# Altium PCB X98_CARRIER_V1R2_12082022.PcbDoc (part 8 of 10) (continued)
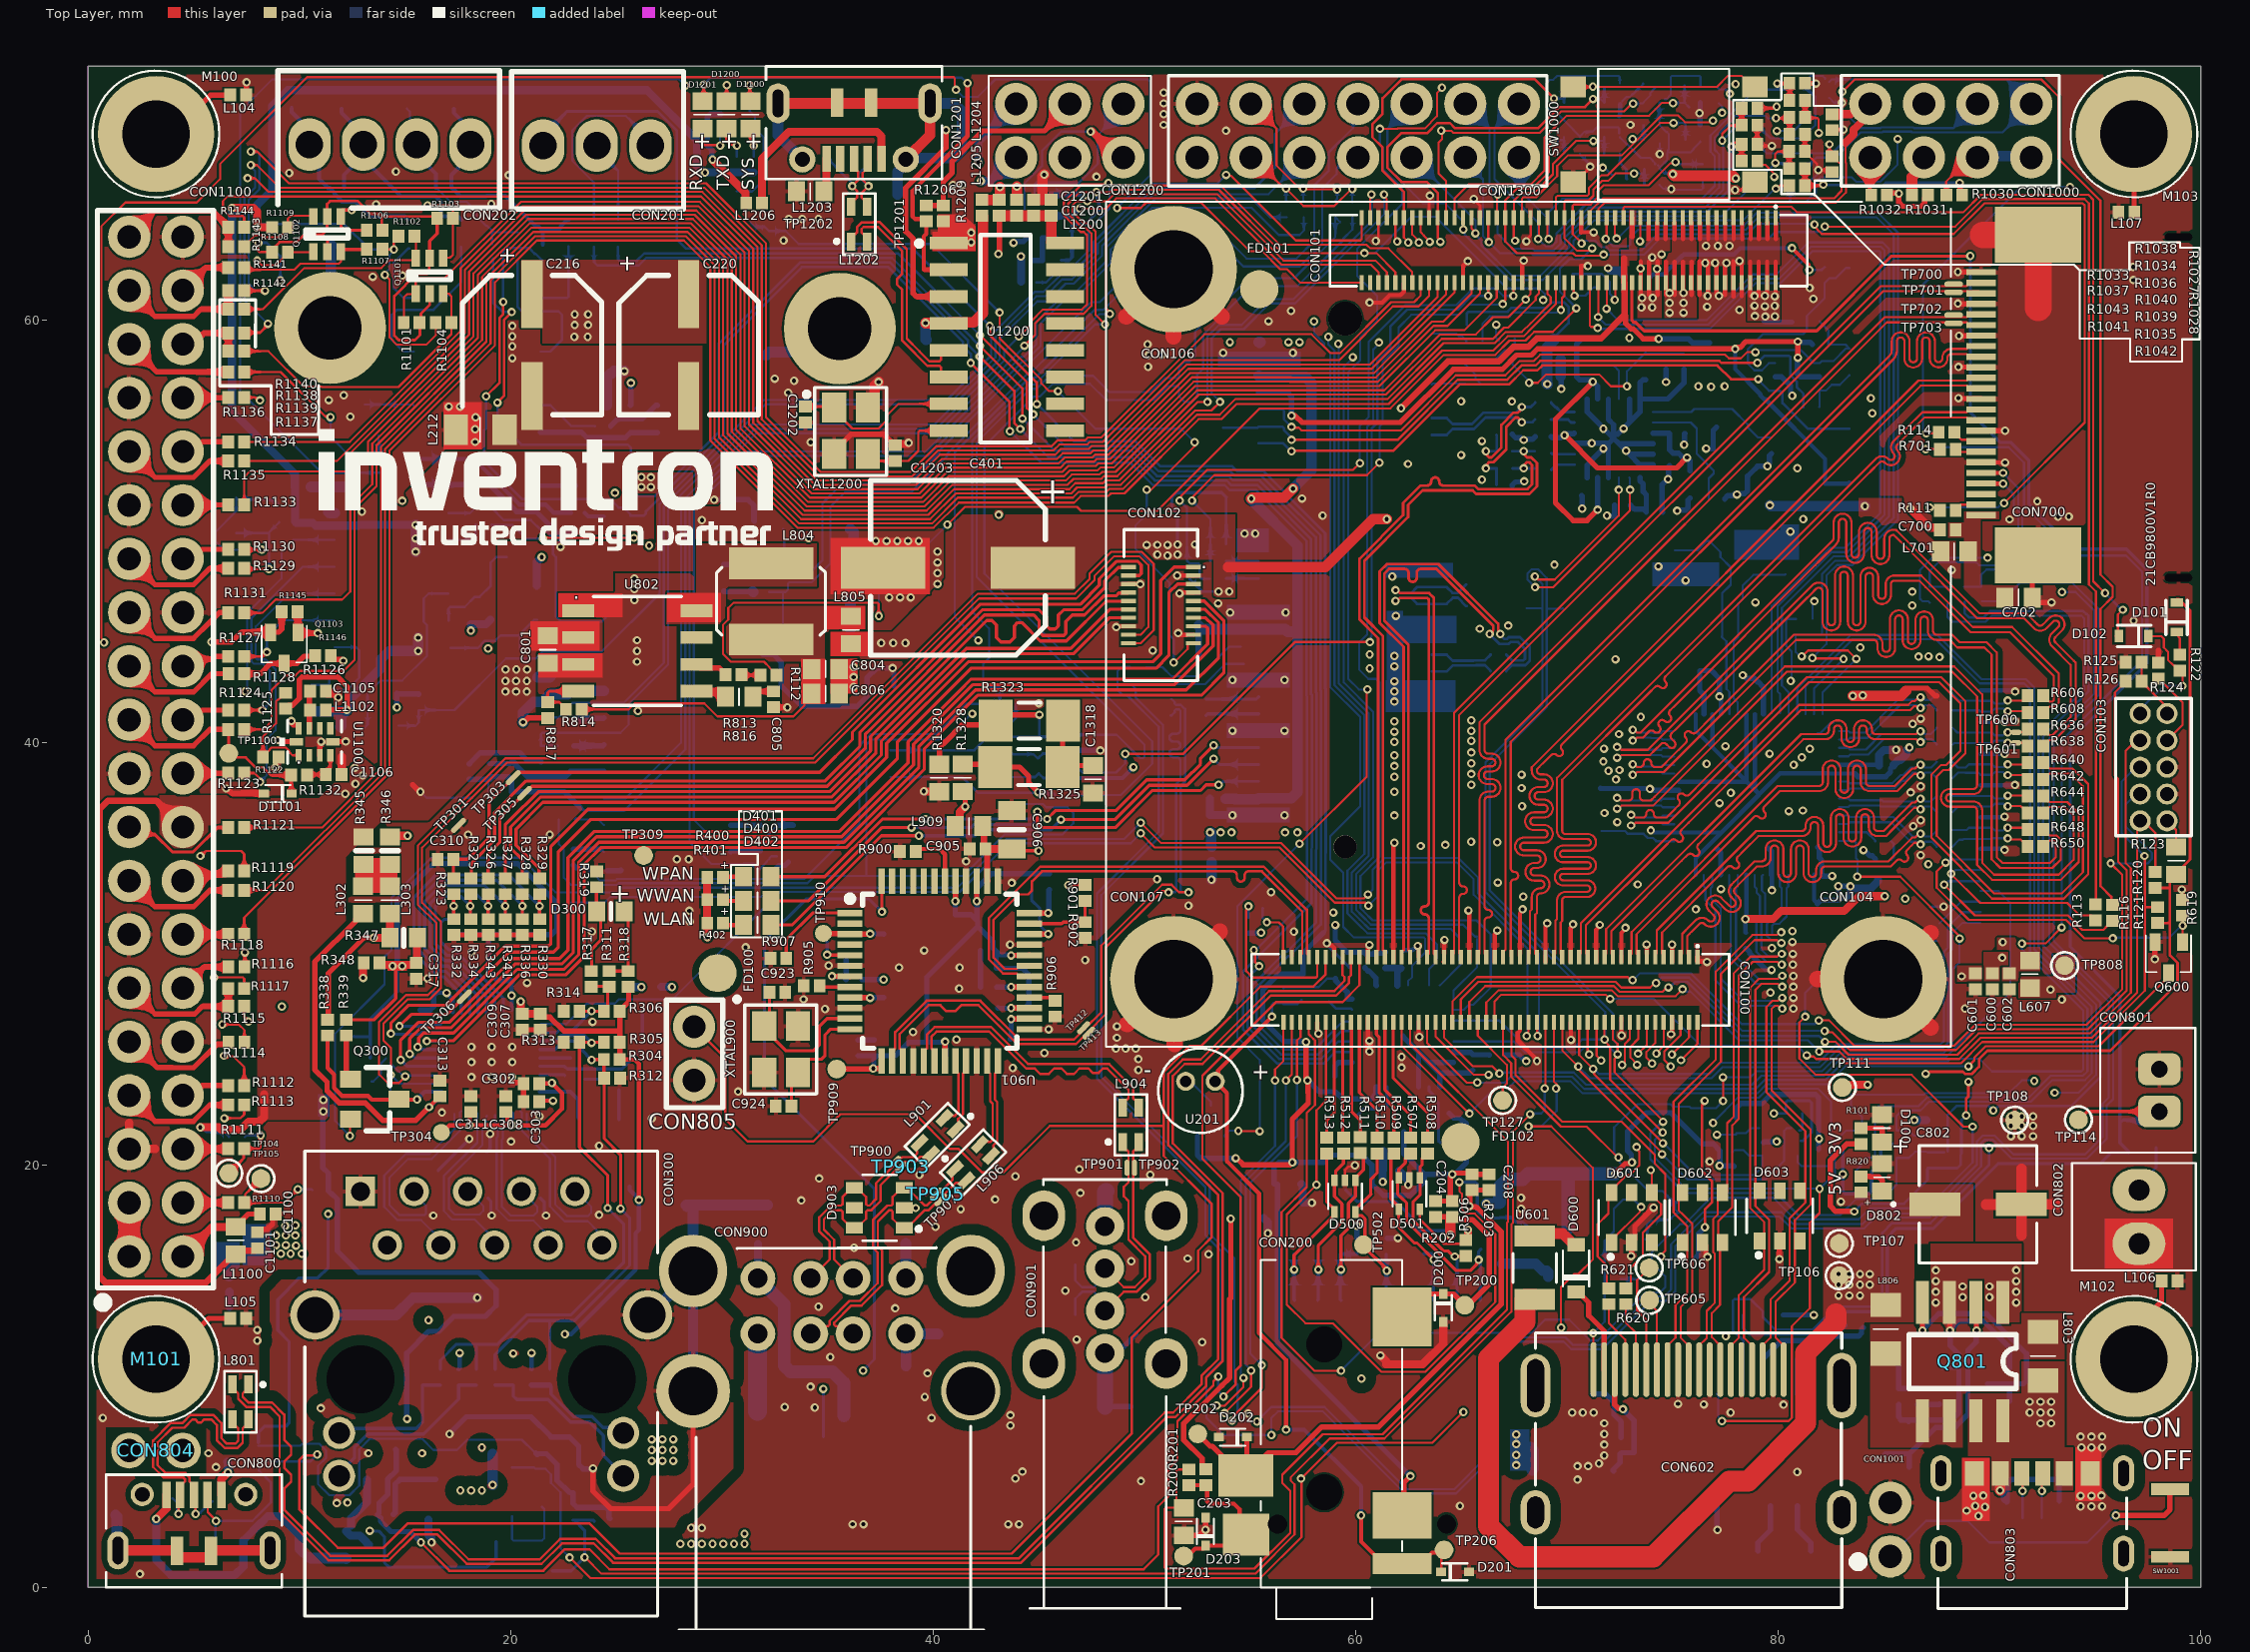
[diagram p0: Top Layer view]
## Nets (pads, with @x,y where several pads share a name; then routed paths per layer and width w, separated by ;. In a path a pad name is that pad's centre, name@x,y a point inside that pad or via, vN(x,y) a via of type N, cw(c..) or ccw(c..) an arc to the next point about the centre after c; other vN are vias at no path point) (continued)
SAI1_RXD2: CON101.51 R112.1 R1006.1 R1009.2 | length 65.6
  Top Layer w0.102: R112.1@32.55,43.232 32.253,43.528 32.253,43.553 31.986,43.82 30.422,43.82 30.044,44.198 30.044,45.559 30.298,45.813 30.298,46.36 30.552,46.614 37.35,46.614 37.41,46.554 37.41,45.998 v1(37.423,45.985) ; v1(40.666,50.309) 41.506,51.148 46.805,51.148 46.997,50.957 47.487,50.957 47.488,50.956 47.78,50.956 47.781,50.957 50.601,50.957 55.458,55.813 61.647,55.813 64.177,58.343 66.605,58.343 67.284,59.022 68.036,59.022 68.451,59.437 69.331,59.437 v1(70.445,60.552) ; CON101.51@69.875,64.613 69.875,63.883 70.49,63.268 71.073,63.268 v1(71.196,63.391) ; CON101.51@69.875,64.621 69.875,65.607 69.935,65.667 71.041,65.667 71.249,65.875 71.249,66.171 71.656,66.578 71.952,66.578 72.307,66.933 v1(73.178,66.933)
  Bottom Layer w0.102: v1(37.423,45.985) 37.423,47.065 v1(40.666,50.309) ; v1(70.445,60.552) 70.445,60.56 69.662,61.343 69.662,62.421 70.119,62.877 70.682,62.877 v1(71.196,63.391) ; v1(73.178,66.933) 73.618,66.933 R1006.1@73.633,66.949 ; R1009.2@73.633,66.39 73.666,66.423 R1006.1@73.666,67.151
SAI1_RXD3: CON101.53 R114.1 R1007.1 R1010.2 | length 50.7
  Top Layer w0.102: CON101.53@69.479,64.837 69.483,64.841 69.483,65.811 69.543,65.87 70.957,65.87 71.046,65.959 71.046,66.255 71.643,66.852 71.939,66.852 74.408,69.322 v1(75.05,69.322)
  Top Layer w0.117: v1(87.009,54.628) 87.566,54.628 R114.1@87.597,54.659
  Layer 2 w0.102: v1(75.05,69.322) 76.054,70.326 77.829,70.326 78.061,70.558 78.061,71.007 77.984,71.083 77.984,71.18 78,71.18 78.37,71.55 92.34,71.55 93.274,70.615 93.274,66.736 93.469,66.541 93.569,66.541 93.82,66.291 v1(93.82,66.289)
  Bottom Layer w0.102: v1(75.05,69.322) 75.533,69.322 75.615,69.24 R1007.1@75.615,68.52
  Bottom Layer w0.117: v1(87.009,54.628) 87.009,54.684 86.855,54.838 86.855,61.661 91.483,66.29 93.819,66.29 v1(93.82,66.289)
  other v1: 77.984,71.164
SAI1_RXD4: CON101.55 CON1300.2 R1014.1 R1034.1 R1038.2 | length 22.7
  Top Layer w0.102: CON101.55@69.075,64.837 69.075,64.081 69.085,64.071 69.085,63.892 v1(69.142,63.835) ; v1@80.017,71.189 80.55,71.189 R1034.1@80.55,70.393
  Bottom Layer w0.102: CON1300.2@67.776,67.694 67.789,67.681 67.789,66.112 69.142,64.759 ; v1(69.142,63.835) 69.142,64.759 ; 76.999,66.857 76.999,66.352 76.373,65.726 69.768,65.726 69.186,65.144 69.151,65.109 69.151,65.091 69.142,65.082 69.142,64.759 ; 76.999,66.857 76.999,67.761 76.795,67.966 76.795,68.73 77.671,69.606 77.671,69.654 78.913,70.896 80.384,70.896 R1014.1@80.561,71.074
  other v1: 79.957,71.189
SAI1_RXD5: CON101.57 CON1300.1 R1019.1 R1036.1 R1040.2 | length 26.8
  Top Layer w0.102: v1(68.64,63.833) 68.68,63.873 CON101.57@68.679,64.837 ; v1(79.9,69.547) 80.543,69.547 80.543,68.799 R1040.2@80.532,68.787
  Bottom Layer w0.102: CON1300.1@67.734,70.234 66.57,69.07 66.57,66.668 68.64,64.598 v1(68.64,63.833) 68.991,63.483 69.288,63.483 69.497,63.692 69.497,64.076 70.944,65.523 76.457,65.523 77.202,66.268 77.202,66.773 77.203,67.846 76.998,68.05 76.998,68.636 77.875,69.512 77.875,69.57 77.964,69.66 79.399,69.66 79.512,69.547 v1(79.9,69.547) 80.543,69.547 R1019.1@80.581,69.584
SAI1_RXD6: CON101.61 R116.2 R1008.1 R1011.2 | length 70.7
  Top Layer w0.102: CON101.61@67.879,64.837 67.879,65.742 67.938,65.801 68.531,65.801 69.541,66.812 69.541,67.286 70.04,67.785 72.584,67.785 74.478,69.679 75.261,69.679 75.585,69.355 76.855,69.355 76.915,69.415 v1(76.915,69.432) ; v1(83.046,70.807) 83.621,71.382 92.457,71.382 93.274,70.566 93.274,68.298
  Top Layer w0.117: 93.274,68.298 93.274,67.631 95.259,65.646 95.259,47.946 95.839,47.367 95.839,46.893 95.259,46.313 95.259,33.199 95.771,32.688 95.771,32.366 R116.2@95.836,32.301
  Layer 2 w0.102: v1(76.915,69.432) 76.992,69.355 77.453,69.355 78.754,70.656 82.837,70.656 82.988,70.807 v1(83.046,70.807)
  Bottom Layer w0.102: v1(73.112,68.559) 73.595,68.559 73.633,68.52 R1008.1@73.633,69.24
SAI1_RXD7: CON101.63 R1015.1 R1020.2 | length 8.5
  Top Layer w0.102: CON101.63@67.481,64.835 67.481,63.893 67.546,63.829 v1(67.546,63.748) ; CON101.63@67.487,64.835 67.487,65.638 67.854,66.004 68.446,66.004 69.338,66.896 69.338,67.37 70.443,68.475 v1(71.251,68.475)
  Bottom Layer w0.102: v1(71.251,68.475) 71.718,68.475 R1015.1@71.763,68.52 ; R1020.2@71.761,67.837 71.763,67.838 R1020.2@71.763,67.859 R1015.1@71.763,68.52 ; R1015.1@71.763,68.656 R1015.1@71.763,68.52
SAI1_TXC: CON101.87 TP204.1 U200.24 | length 44.1
  Top Layer w0.102: CON101.87@62.676,64.837 62.676,64.041 62.992,63.726 v1(62.992,63.67)
  Layer 2 w0.102: 59.675,58.862 62.992,62.179
  Layer 2 w0.117: v1(59.177,58.862) 59.675,58.862 ; 62.992,62.179 v1(62.992,63.67)
  Bottom Layer w0.102: v1(59.177,58.862) 59.196,58.843 59.196,42.794 60.617,41.373 60.617,34.641 59.816,33.84 59.816,31.991 60.203,31.604 60.637,31.17 64.5,31.17 64.896,30.773 TP204.1@64.896,29.697 ; U200.24@63.978,28.494 64.991,29.508 TP204.1@64.991,29.738
SAI1_TXD0: CON101.89 R1016.1 R1021.2 TP207.1 U200.26 | length 66.5
  Top Layer w0.102: 62.219,66.112 62.279,66.052 CON101.89@62.279,64.837 62.279,63.904 62.484,63.7 v1(62.484,63.67)
  Top Layer w0.117: 62.221,66.114 61.272,67.064 61.272,68.169 60.785,68.655 60.785,69.265 61.27,69.75 61.27,70.491 62.17,71.39 68.479,71.39 v1(69.384,70.484)
  Layer 2 w0.102: v1@61.087,58.939 v1(61.094,58.931) 61.725,58.931 62.16,59.366 62.16,60.141 64.55,62.53 64.55,63.148 64.587,63.186 64.587,63.804 64.32,64.07 62.883,64.07 v1@62.484,63.671
  Bottom Layer w0.102: 60.935,58.702 60.824,58.592 60.824,55.228 60.549,54.952 60.549,45.121 60.173,44.745 60.173,43.434 60.604,43.002 60.96,43.002 61.131,42.831 61.131,34.581 60.222,33.672 60.222,32.159 60.371,32.01 60.805,31.577 65.724,31.577 66.392,30.909 66.392,28.398 TP207.1@65.574,27.58 65.361,27.58 65.125,27.344 U200.26@64.628,27.344
  Bottom Layer w0.117: 60.935,58.702 61.094,58.862 v1(61.094,58.931) ; v1@62.482,63.732 v1@62.559,63.732 ; v1(69.384,70.484) R1021.2@69.853,70.484 ; R1021.2@69.863,70.291 69.863,71.007 R1016.1@69.874,71.018
SAI1_TXD1: CON101.65 R113.2 R1002.1 R1005.2 | length 70
  Top Layer w0.102: v1(69.329,68.514) 69.329,68.434 69.135,68.24 69.135,66.98 68.362,66.208 67.624,66.208 67.081,65.665 67.081,64.619 67.079,64.617 67.081,64.615 67.081,63.714 67.635,63.16 70.284,63.16 70.406,63.038 71.682,63.038 v1(71.732,63.089) ; v1(82.212,64.417) 88.379,64.417 89.681,65.719 94.506,65.719 94.714,65.51 94.714,47.475 95.048,47.141 R113.2@95.048,32.327
  Bottom Layer w0.102: v1(69.329,68.514) 69.857,68.514 R1002.1@69.863,68.52 ; R1002.1@69.863,68.656 R1002.1@69.863,68.52 ; R1005.2@69.882,67.887 69.863,67.907 R1002.1@69.863,68.52 ; v1(71.732,63.089) 73.644,63.089 74.411,63.856 79.551,63.856 79.855,64.16 81.866,64.16 81.874,64.168 82.073,64.168 82.184,64.279 82.184,64.322 82.212,64.351 v1(82.212,64.417)
SAI1_TXD2: CON101.67 CON1300.3 R1013.1 R1033.1 R1037.2 | length 26.1
  Top Layer w0.102: CON101.67@66.683,64.837 66.683,65.9 v1(66.72,65.937) ; v1(77.351,68.49) 77.351,68.809 77.735,69.194 78.269,69.194 R1033.1@78.269,70.021
  Bottom Layer w0.102: CON1300.3@65.236,70.234 65.236,70.184 66.342,69.078 66.342,66.314 v1(66.72,65.937) 66.72,64.076 67.429,63.366 68.385,63.366 68.471,63.28 69.372,63.28 69.7,63.608 69.7,63.992 71.028,65.32 76.55,65.32 77.406,66.175 77.406,66.689 77.406,68.435 v1(77.351,68.49) 77.934,69.074 78.178,69.074 R1013.1@78.306,69.202
SAI1_TXD3: CON101.69 CON1300.4 R1023.1 R1041.1 R1043.2 | length 22.8
  Top Layer w0.102: CON101.69@66.279,64.837 66.279,63.709 v1(66.306,63.682) ; v1(77.788,68.196) 77.788,68.235 77.948,68.395 78.191,68.395 R1043.2@78.269,68.317 R1041.1@78.269,67.521
  Bottom Layer w0.102: CON1300.4@65.236,67.694 65.236,67.44 66.021,66.655 66.021,63.967 v1(66.306,63.682) 66.828,63.16 68.304,63.16 68.387,63.077 69.456,63.077 69.904,63.524 69.904,63.908 71.112,65.117 76.635,65.117 77.609,66.091 77.609,66.604 77.609,66.813 77.784,66.988 77.784,67.973 ; v1@77.778,68.007 77.778,68.063 78.179,68.063 78.388,68.271 R1023.1@78.388,68.337
SAI1_TXD4: CON101.73 CON1300.6 R1012.1 R1035.1 R1039.2 | length 26.1
  Top Layer w0.102: CON101.73@65.479,64.837 65.481,64.334 65.669,64.146 v1(65.669,64.098) ; v1(79.864,67.43) 79.864,67.862 79.973,67.971 R1039.2@80.517,67.971 R1035.1@80.517,67.162
  Bottom Layer w0.102: CON1300.6@62.696,67.694 65.669,64.721 65.669,64.188 65.578,64.098 v1(65.669,64.098) ; v1@65.636,64.065 65.954,63.747 65.954,63.536 67.391,62.099 68.766,62.099 70.107,63.44 70.107,63.824 71.196,64.913 77.347,64.913 79.839,67.405 v1@79.878,67.405 ; v1(79.864,67.43) 79.878,67.416 80.339,67.416 80.568,67.187 R1012.1@80.568,67.162
SAI1_TXD5: CON101.75 CON1300.5 R1024.1 R1042.1 R1044.2 | length 29.1
  Top Layer w0.102: CON101.75@65.087,64.837 65.087,64.391 v1@65.096,64.383 ; v1(79.889,66.211) 79.944,66.211 80.087,66.354 R1042.1@80.567,66.354
  Bottom Layer w0.102: CON1300.5@62.696,70.234 61.498,69.036 61.498,67.213 62.749,65.961 63.182,65.528 64.214,65.528 65.039,64.704 65.039,64.44 65.096,64.383 v1@65.096,64.325 ; v1(65.096,64.281) 65.153,64.224 65.153,64.049 66.827,62.375 67.306,61.896 68.85,61.896 70.31,63.356 70.31,63.74 71.28,64.71 78.337,64.71 79.838,66.211 v1(79.889,66.211) 80.424,66.211 R1044.2@80.567,66.354 80.567,65.573 R1024.1@80.555,65.562
SAI1_TXD6: CON101.77 R119.2 R1017.1 R1022.2 | length 21.1
  Top Layer w0.102: CON101.77@64.679,64.617 64.679,65.747 65.342,66.411 68.278,66.411 68.932,67.065 68.932,68.616 69.981,69.665 73.888,69.665 74.504,70.281 75.004,70.281 v1(75.02,70.266)
  Layer 2 w0.102: v1(75.02,70.266) 74.581,69.827 74.581,69.056 74.682,68.954 76.105,68.954 76.562,69.412 76.562,69.578 76.769,69.784 77.281,69.784 v1@77.299,69.767
  Bottom Layer w0.102: v1(75.02,70.266) 75.537,70.266 R1022.2@75.571,70.3 ; R1022.2@75.539,70.266 R1022.2@75.564,70.291 ; R1017.1@75.564,71.094 75.571,71.086 R1022.2@75.571,70.3 ; R1022.2@75.571,70.275 R1022.2@75.571,70.3 ; R1022.2@75.601,70.285 75.605,70.281 75.573,70.281 R1022.2@75.792,70.062 ; R119.2@77.197,70.25 77.346,70.101 v1(77.346,69.801)
SAI1_TXD7: CON101.79 R127.2 R1026.1 R1029.2 | length 96.9
  Top Layer w0.102: v1(64.045,68.956) v1@64.084,68.918 ; CON101.79@64.279,64.617 64.279,66.572 63.927,66.925 63.927,68.394 64.084,68.551 v1@64.084,68.918 ; v1(73.132,70.241) 73.073,70.241 72.701,69.869 69.729,69.869 68.715,68.855 64.627,68.855 64.525,68.956 64.122,68.956 v1@64.084,68.918
  Layer 2 w0.102: v1(28.265,71.088) 28.733,71.556 62.954,71.556 64.038,70.472 64.038,68.964 v1(64.045,68.956)
  Bottom Layer w0.102: R127.2@13.768,52.766 11.043,52.766 7.189,56.62 7.189,69.866 7.936,70.614 8.714,71.392 27.961,71.392 v1(28.265,71.088) ; v1(73.132,70.241) 73.584,70.241 R1026.1@73.633,70.291 73.633,70.316 73.951,70.634 73.951,70.734 74.034,70.817 74.034,70.841 74.2,71.007 R1029.2@74.2,71.012
SAI1_TXFS: CON101.85 TP203.1 U200.23 | length 44.8
  Top Layer w0.102: CON101.85@63.079,64.837 63.079,64.147 63.227,63.999 63.227,63.983 63.5,63.711 v1(63.5,63.695)
  Layer 2 w0.102: v1(58.703,59.198) 58.703,58.838 59.031,58.51 59.621,58.51 63.5,62.389 v1(63.5,63.695)
  Bottom Layer w0.102: v1(58.703,59.198) 58.703,58.838 58.993,58.548 58.993,42.71 60.414,41.289 60.414,34.725 59.613,33.925 59.613,31.906 60.119,31.401 60.552,30.967 63.313,30.967 63.839,30.442 TP203.1@63.839,29.752 ; U200.23@63.478,28.494 63.478,29.269 63.796,29.587 TP203.1@63.796,29.752
SAI2_TXC: CON101.42 U600.60 | length 41.1
  Top Layer w0.102: v1(71.872,60.531) 71.885,60.544 CON101.42@71.885,61.757
  Bottom Layer w0.102: v1(71.872,60.531) 72.421,59.982 76.608,59.982 78.776,62.151 79.921,62.151 81.435,63.664 83.439,63.664 84.641,63.664 84.945,63.664 85.243,63.367 85.243,50.691 84.957,50.405 83.354,48.803 82.617,48.803 80.174,46.36 80.174,42.695 80.497,42.372 U600.60@80.497,41.38
SAI2_TXD: CON101.46 U600.58 | length 41.8
  Top Layer w0.102: CON101.46@71.082,61.757 71.082,59.732 71.141,59.673 71.396,59.673 v1(71.453,59.615)
  Bottom Layer w0.102: v1(71.453,59.615) 71.493,59.576 76.777,59.576 78.945,61.744 80.12,61.744 81.634,63.258 84.777,63.258 84.837,63.198 84.837,50.859 83.186,49.209 82.449,49.209 79.697,46.457 U600.58@79.697,41.38
SAI2_TXFS: CON101.44 U600.59 | length 41.4
  Top Layer w0.102: v1(71.472,60.131) 71.482,60.141 CON101.44@71.482,61.757
  Bottom Layer w0.102: v1(71.472,60.131) 71.824,59.779 76.692,59.779 78.861,61.948 80.036,61.948 81.55,63.461 84.861,63.461 85.04,63.283 85.04,50.775 84.754,50.49 83.27,49.006 82.533,49.006 79.971,46.444 79.971,42.417 80.097,42.291 U600.59@80.097,41.38
SAI3_RXD: CON101.80 R1144.2 | length 75
  Top Layer w0.102: R1144.2@7.375,64.384 7.375,64.859 7.316,64.918 6.681,64.918 6.375,65.225 6.375,65.622 6.591,65.838 29.008,65.838 31.477,63.369 31.477,55.13 34.415,52.192 39.177,52.192 40.398,53.412 45.858,53.412 46.138,53.692 47.448,53.692 47.576,53.821 48.21,53.821 52.075,57.686 57.356,57.686 57.36,57.683 60.756,57.683 64.282,61.209 CON101.80@64.282,61.973
SAI3_TXC: CON101.82 R1115.2 | length 115
  Top Layer w0.102: R1115.2@7.375,27.502 7.375,26.998 7.578,26.796 v1(7.578,26.789) ; v1(7.541,66.706) 7.887,66.706 8.534,66.059 29.075,66.059 31.68,63.453 31.68,55.215 34.5,52.395 39.093,52.395 40.314,53.615 45.774,53.615 46.054,53.896 47.363,53.896 47.492,54.024 48.126,54.024 51.991,57.889 57.44,57.889 57.444,57.886 60.672,57.886 63.876,61.09 CON101.82@63.876,61.973
  Layer 1 w0.102: v1(7.578,26.789) 8.288,27.499 v1(9.157,27.499) 9.162,27.499 v1@9.164,27.501
  Layer 2 w0.102: v1(7.541,66.706) 7.179,66.344 7.179,57.627 8.558,56.248 8.558,48.972 8.206,48.62 8.206,45.34 9.41,44.135 9.41,41.659 9.261,41.51 9.261,40.324 9.41,40.175 9.41,27.833 9.162,27.585 v1@9.156,27.585
SAI3_TXD: CON101.86 R1142.2 | length 80.2
  Top Layer w0.102: R1142.2@7.375,61.39 7.386,61.38 v1(8.368,61.38) ; v1(7.687,67.966) 7.989,67.966 9.49,66.465 29.243,66.465 32.086,63.622 32.086,55.383 34.668,52.802 38.925,52.802 40.145,54.022 45.605,54.022 45.885,54.302 47.195,54.302 47.323,54.43 47.958,54.43 52.85,59.323 57.907,59.323 58.796,58.434 59.272,58.434 61.679,60.84 62.767,60.84 63.079,61.153 CON101.86@63.079,61.977
  Bottom Layer w0.102: v1(7.687,67.966) 7.709,67.944 8.037,67.944 8.097,67.885 8.097,66.187 7.595,65.685 7.595,61.721 7.937,61.38 8.318,61.38 v1@8.331,61.366
SAI3_TXFS: CON101.84 R1138.1 | length 80.7
  Top Layer w0.102: R1138.1@7.375,59.379 7.394,59.397 8.136,59.397 8.497,59.757 v1(8.497,59.818) ; v1(7.687,67.331) 7.979,67.331 9.049,66.262 29.159,66.262 31.883,63.537 31.883,55.299 34.584,52.598 39.009,52.598 40.229,53.819 45.689,53.819 45.97,54.099 47.279,54.099 47.408,54.227 48.042,54.227 51.907,58.093 59.218,58.093 61.763,60.637 62.981,60.637 63.479,61.134 CON101.84@63.479,61.976
  Bottom Layer w0.102: v1(7.687,67.331) 7.687,67.251 7.894,67.044 7.894,66.271 7.392,65.769 7.392,60.923 v1(8.497,59.818)
SD2_CD_B: CON100.76 R507.1 | length 6
  Top Layer w0.152: CON100.76@61.379,26.815 61.379,23.556 62.605,22.33 R507.1@62.605,21.288
SD2_CLK: CON100.82 R510.1 | length 5.9
  Top Layer w0.152: CON100.82@60.179,26.815 60.179,23.417 61.016,22.58 61.016,21.289 R510.1@61.015,21.288
SD2_CMD: CON100.84 R511.1 | length 5.7
  Top Layer w0.152: CON100.84@59.798,26.814 59.798,22.528 60.22,22.106 R511.1@60.22,21.288
SD2_DATA0: CON100.78 R509.1 | length 5.8
  Top Layer w0.152: CON100.78@60.979,26.757 60.979,26.178 61.107,26.05 61.107,23.421 61.81,22.718 R509.1@61.81,21.288
SD2_DATA1: CON100.74 R508.1 | length 6.2
  Top Layer w0.152: CON100.74@61.779,26.815 61.779,24.103 63.4,22.482 R508.1@63.4,21.288
SD2_DATA2: CON100.88 R513.1 | length 5.7
  Top Layer w0.152: R513.1@58.63,21.288 58.63,22.099 58.979,22.448 CON100.88@58.979,26.815
SD2_DATA3: CON100.86 R512.1 | length 5.5
  Top Layer w0.152: CON100.86@59.379,26.815 59.379,21.334 R512.1@59.425,21.288
SD2_nRST: CON100.90 Q500.1 R500.1 | length 38.2
  Top Layer w0.102: CON100.90@58.596,26.798 58.596,23.038 58.142,22.585 v1(58.142,19.058) 56.735,17.651 56.735,13.39 57.623,12.502 58.915,12.502 61.206,10.212 63.31,10.212 66.606,13.508 66.606,16.724 65.64,17.69 65.243,17.69 65.029,17.905 65.029,18.63 64.91,18.749 64.91,19.099 v1@64.885,19.124
  Bottom Layer w0.152: v1(64.91,19.185) 65.67,19.185 65.759,19.095 65.759,17.835 66.107,17.487 R500.1@66.807,17.487 66.832,17.511 67.361,17.511 67.578,17.295 67.92,17.295 68.169,17.046 Q500.1@68.169,17.024
SIM_CLK: CON401.12 R405.1 TP404.1 | length 31.7
  Top Layer w0.117: v1(56.959,54.321) 61.985,54.321 64.827,57.162 67.17,57.162 67.854,57.846 68.523,57.846 68.742,58.065 77.211,58.065 77.309,57.968 v1(79.023,57.968)
  Bottom Layer w0.117: TP404.1@53.712,54.885 55.34,54.885 55.408,54.953 56.522,54.953 56.599,54.876 56.599,54.783 56.862,54.521 56.862,54.495 56.959,54.398 v1(56.959,54.321) ; v1(79.023,57.968) 79.023,57.978 79.354,58.309 80.508,58.309 80.576,58.241 80.576,57.382 80.878,57.08 80.878,56.826 81.203,56.5 R405.1@81.203,55.872
SIM_DATA: CON400.7 CON401.10 D403.4 R403.1 TP405.1 | length 33.2
  Top Layer w0.102: v1(56.959,54.932) 56.995,54.896 57.312,54.896 57.449,54.759 62.124,54.759 64.743,57.378 67.087,57.378 67.766,58.057 68.436,58.057 68.732,58.353 77.496,58.353 77.671,58.178 78.233,58.178 78.527,58.472 78.807,58.472 78.808,58.471 v1(78.919,58.471)
  Bottom Layer w0.102: CON401.10@55.408,55.753 56.55,55.753 56.609,55.693 56.609,55.609 56.607,55.607 56.607,55.285 v1(56.959,54.932) ; v1(78.919,58.471) 79.014,58.567 81.082,58.567 81.513,58.137 81.513,58.125 81.689,57.949 D403.4@81.962,57.949 82.058,58.045 82.614,58.045 83.217,58.648 CON400.7@83.367,58.648 83.187,58.828 R403.1@82.373,58.828 82.373,59.514 81.953,59.935 TP405.1@81.953,59.938
SIM_RST: CON400.2 CON401.14 D403.1 | length 31.4
  Top Layer w0.117: v1@56.959,53.8 61.774,53.8 64.917,56.944 67.261,56.944 67.929,57.612 68.598,57.612 68.833,57.847 77.121,57.847 77.77,57.198 v1(79.058,57.198)
  Bottom Layer w0.117: CON401.14@55.408,54.153 56.572,54.153 v1@56.952,53.773 ; v1(79.058,57.198) 79.031,57.198 79.022,57.189 79.562,56.649 D403.1@79.862,56.649 80.065,56.649 80.203,56.511 80.203,56.061 81.427,54.838 CON400.2@83.367,54.838
  other v1: 56.959,53.781
SIM_VDD: C400.1 CON400.1 CON401.8 D403.5 R403.2 | length 41
  Top Layer w0.254: v1(56.959,55.461) 57.142,55.461 57.462,55.141 62.111,55.141 64.627,57.657 66.938,57.657 67.617,58.336 68.32,58.336 68.616,58.633 77.911,58.633 v1@77.966,58.688 ; v1@77.966,58.696 78.194,58.696 78.47,58.973 v1(80.936,58.973) v1(80.936,58.215)
  Bottom Layer w0.203: v1(77.966,58.62) 77.966,57.676 79.159,56.482 79.159,56.424 79.336,56.246 79.395,56.246 82.221,53.42 C400.1@82.221,52.25 83.319,52.25 CON400.1@83.367,52.298
  Bottom Layer w0.254: CON401.8@55.408,56.553 56.782,56.553 56.959,56.376 56.959,55.463 v1@56.936,55.44 ; v1(80.936,58.215) 80.914,58.194 80.914,57.449 81.064,57.299 D403.5@81.962,57.299 ; v1(80.936,58.973) 80.964,58.945 81.507,58.945 R403.2@81.624,58.828
SPK_L+: C227.1 CON202.1 D205.1 L207.2 R208.1 TP210.1 | length 11.9
  Bottom Layer w0.194: TP210.1@17.314,69.998 17.314,69.81 18.195,68.929 18.195,68.207 18.195,67.87 17.183,66.858 D205.1@17.183,66.247 17.223,66.247 17.621,65.849 18.825,65.849 18.861,65.884 19.741,65.884 20.994,64.632 20.994,64.623 21.208,64.409 21.323,64.409 C227.1@21.505,64.227 ; R208.1@21.505,63.569 C227.1@21.505,64.227 ; L207.2@22.738,64.746 22.675,64.746 22.365,64.437 22.365,64.373 22.219,64.227 C227.1@21.505,64.227
SPK_L-: C226.1 CON202.2 D204.1 L208.2 R209.1 TP209.1 | length 9.8
  Bottom Layer w0.102: TP209.1@15.079,69.998 15.224,69.853 15.224,69.402 15.655,68.971 CON202.2@15.655,68.207 ; D204.1@16.446,66.247 16.486,66.247 17.134,65.599 17.897,65.599 18.366,65.131 18.366,64.924 18.834,64.456 18.884,64.456 C226.1@19.113,64.227 ; R209.1@19.113,63.58 C226.1@19.113,64.227 ; L208.2@20.325,64.143 19.197,64.143 C226.1@19.113,64.227
  Bottom Layer w0.194: CON202.2@15.655,68.207 15.655,67.713 16.446,66.922 D204.1@16.446,66.247
SPK_R+: C224.1 CON202.4 D206.2 L210.2 TP211.1 | length 8.9
  Bottom Layer w0.2: TP211.1@9.618,70.024 9.618,69.837 10.575,68.88 10.575,68.207 10.92,67.863 10.92,66.679 11.351,66.247 D206.2@11.391,66.247 11.431,66.247 11.661,66.017 11.661,65.964 12.016,65.609 12.632,65.609 13.335,64.905 C224.1@14.146,64.905 14.959,64.905 L210.2@15.118,64.746
SPK_R-: C225.1 CON202.3 D207.2 L209.2 TP212.1 | length 11.1
  Bottom Layer w0.193: TP212.1@11.98,69.998 11.98,69.81 13.115,68.675 13.115,68.207 CON202.3@13.115,67.871 ; D207.2@12.103,66.247 12.103,66.859 CON202.3@13.115,67.871 ; L209.2@17.658,64.746 17.499,64.905 C225.1@16.686,64.905 16.686,65.585 16.421,65.849 14.804,65.849 13.115,67.538 CON202.3@13.115,67.871
SYS_BOOT_MODE0: CON101.45 CON1000.5 R1028.2 | length 20.4
  Top Layer w0.102: CON101.45@71.079,64.837 71.079,65.13 71.709,65.761 82.653,65.761 83.003,66.111 83.003,67.342 82.914,67.431 82.889,67.431 R1028.2@82.597,67.724 ; v1(82.429,68.31) 82.429,67.916 82.597,67.749 R1028.2@82.597,67.724 ; R1028.2@82.546,67.749 82.571,67.749 R1028.2@82.597,67.724
  Layer 2 w0.102: v1(82.429,68.31) 83.056,68.31 83.763,69.018 85.6,69.018 CON1000.5@86.881,70.299
SYS_BOOT_MODE1: CON101.43 CON1000.7 R1027.2 | length 19.2
  Top Layer w0.102: CON101.43@71.481,64.837 71.481,65.245 71.794,65.557 82.737,65.557 83.206,66.027 83.206,67.426 83.188,67.444 83.188,68.392
  Top Layer w0.381: R1027.2@82.546,69.734 83.426,69.734 83.922,70.23 CON1000.7@84.36,70.23 84.36,69.792 83.578,69.009 83.578,68.781 83.188,68.392
SYS_nRST: CON101.33 SW1000.3 SW1000.4 TP1000.1 | length 20.3
  Top Layer w0.102: SW1000.4@70.294,71.023 71.228,71.023 77.092,71.023 77.625,71.556 78.261,71.556 78.794,71.023 SW1000.3@78.894,71.023 ; v1(73.456,63.721) 73.482,63.746 73.482,64.614 CON101.33@73.479,64.617
  Layer 1 w0.102: v1@71.152,71.037 71.126,71.037 70.314,70.224 70.314,67.541 71.006,66.849 71.428,66.849 ; v1(71.695,67.204) 71.428,66.937 71.428,66.849 ; v1(73.456,63.721) 73.456,64.762 73.486,64.792 71.428,66.849
  Bottom Layer w0.102: v1(71.695,67.204) 71.776,67.204 72.106,66.874 TP1000.1@72.203,66.874
  other v1: 71.228,71.037
SYS_STATUS: CON102.19 Q1100.1 R1105.1 | length 40.2
  Top Layer w0.102: v1(43.141,60.347) 43.141,59.132 45.114,57.158 45.114,56.997 45.484,56.626 v1(45.904,56.626) ; v1(50.105,51.964) 50.137,51.964 50.231,51.87 52.381,54.02 v1(52.381,54.213) ; v1(51.382,43.783) 51.403,43.783 52.045,44.425 52.045,44.645 52.095,44.696 CON102.19@52.319,44.696
  Bottom Layer w0.102: Q1100.1@31.342,64.611 31.543,64.41 32.029,64.41 R1105.1@32.218,64.221 32.232,64.207 33.012,64.207 33.628,63.592 39.896,63.592 v1(43.141,60.347) ; v1(45.904,56.626) 47.68,54.851 51.744,54.851 v1(52.381,54.213) ; v1(50.105,51.964) 50.105,50.796 49.569,50.26 49.569,49.172 51.195,47.546 51.195,45.071 51.382,44.884 v1(51.382,43.783)
TEST_MODE: CON100.54 TP127.1 | length 4.4
  Top Layer w0.102: CON100.54@65.779,26.815 65.779,26.11 67.157,24.732 67.157,23.849 66.959,23.651 66.959,23.064 TP127.1@66.95,23.054
TXD_DEBUG: CON1200.4 D1200.2 U1200.3 | length 29.2
  Top Layer w0.102: D1200.2@30.207,70.355 30.221,70.368 v1(30.221,71.116)
  Top Layer w0.254: v1@40.601,68.856 40.601,68.157 38.696,66.252 38.696,64.19 39.048,63.837 39.048,61.258 39.197,61.109 40.727,61.109 U1200.3@40.732,61.104
  Layer 2 w0.254: v1(30.221,71.116) 30.206,71.102 30.206,70.368 31.639,68.935 45.294,68.935 46.461,67.768 CON1200.4@46.461,67.69
  other v1: 40.601,68.983
UART2_CTS: CON101.70 R1322.1 R1324.2 U1303.2 | length 42
  Top Layer w0.114: v1(49.092,39.454) 51.823,39.454 57.117,44.748 v1(60.673,44.748) ; v1(66.269,61.138) 66.274,61.143 66.274,61.751 CON101.70@66.279,61.757
  Bottom Layer w0.114: U1303.2@43.582,39.629 43.775,39.436 44.747,39.436 R1324.2@44.95,39.233 ; R1324.2@44.994,39.278 45.193,39.476 R1322.1@45.801,39.476 45.801,38.954 45.868,38.887 46.753,38.887 47.068,38.572 48.653,38.572 49.087,39.007 49.087,39.449 v1(49.092,39.454) ; v1(60.673,44.748) 60.728,44.802 60.728,45.004 60.758,45.035 60.758,54.865 61.034,55.141 61.034,58.061 61.648,58.675 61.648,59.705 62.431,60.488 64.842,60.488 65.492,61.138 v1(66.269,61.138)
UART2_RXD: CON101.94 R1203.1 R1312.2 R1314.2 R1316.1 R1317.1 | length 73.7
  Top Layer w0.102: v1(47.297,65.621) 47.297,65.589 47.265,65.621 46.799,65.621 46.59,65.412 46.59,65.121 47.141,64.57 47.297,64.57 47.691,64.176 47.691,60.234 v1(48.133,59.792) ; v1@47.33,65.621 48.243,65.621 48.577,65.955 53.437,65.955 56.582,62.81 60.928,62.81 61.479,62.259 CON101.94@61.479,61.757
  Bottom Layer w0.102: R1314.2@23.812,33.918 23.812,33.893 24.13,33.575 24.13,33.55 24.22,33.461 24.955,33.461 25.032,33.538 33.894,33.538 36.499,36.144 36.499,39.849 37.036,40.386 40.123,40.386 41.559,41.822 R1316.1@43.152,41.822 R1317.1@43.152,42.622 42.518,42.622 42.357,42.783 42.357,43.699 42.643,43.985 42.643,45.393 41.847,46.189 41.847,54.268 44.525,56.946 44.812,56.946 47.658,59.792 v1(48.133,59.792)
  Bottom Layer w0.254: R1312.2@22.969,34.193 23.106,34.056 23.675,34.056 R1314.2@23.812,33.918 ; R1203.1@45.559,65.961 46.918,65.961 47.258,65.621 v1(47.297,65.621)
UART2_TXD: CON101.96 R1202.2 R1307.2 U1303.4 | length 89.7
  Top Layer w0.102: v1(46.942,65.266) 48.176,65.266 ; v1(48.354,60.281) 48.354,60.362 48.184,60.533 48.184,65.259 48.176,65.266 ; CON101.96@61.079,61.757 61.079,62.259 60.731,62.607 56.498,62.607 53.353,65.752 48.661,65.752 48.176,65.266
  Layer 2 w0.102: v1(41.848,41.359) 41.848,44.547 v1(42.132,44.831)
  Bottom Layer w0.102: R1307.2@22.276,36.352 22.276,35.178 22.512,34.943 22.512,33.594 22.655,33.45 ; 22.657,33.452 22.851,33.258 25.039,33.258 25.116,33.335 34.046,33.335 34.392,33.68 36.83,33.68 ; v1(41.848,41.359) 41.816,41.359 40.589,40.132 37.069,40.132 36.83,39.893 36.83,33.68 ; v1(42.132,44.831) 41.019,45.943 41.019,53.726 44.561,57.268 44.847,57.268 47.847,60.267 48.34,60.267 v1(48.354,60.281) ; U1303.4@43.582,37.089 43.592,37.089 45.182,37.089 45.339,36.932 46.355,36.932 46.634,36.652 46.634,36.17 46.101,35.636 43.358,35.636 41.402,33.68 36.83,33.68
  Bottom Layer w0.254: R1202.2@45.559,64.918 46.554,64.918 46.903,65.266 v1(46.942,65.266)
UART3_CTS_3V3: CON100.10 R1116.1 | length 107.5
  Top Layer w0.102: R1116.1@7.386,29.367 7.41,29.391 v1(7.41,30.06) ; v1(74.233,25.275) 74.579,25.621 CON100.10@74.579,26.757 CON100.10@74.579,26.815
  Layer 2 w0.102: 7.399,29.839 7.194,29.634 7.194,14.159 8.484,12.87 8.484,9.458 10.058,7.883 10.058,5.064 10.998,4.124 10.998,3.548 12.664,1.882 14.913,1.882 15.621,2.591 16.561,2.591 17.269,1.882 21.896,1.882 22.426,2.413 27.483,2.413 28.447,3.378 44.687,3.378 47.427,6.117 59.832,6.117 70.362,16.647 70.362,21.347 73.396,24.38 73.466,24.38 73.68,24.594 73.68,24.664 73.68,24.951 73.938,25.21 74.169,25.21 v1(74.233,25.275) v1(74.233,25.275)
UART3_RTS_3V3: CON100.2 R1112.1 | length 108.2
  Top Layer w0.102: v1(6.417,25.167) 6.445,25.139 6.864,25.139 7.375,24.628 R1112.1@7.375,23.753 ; v1(75.398,24.955) 76.179,25.736 CON100.2@76.179,26.815
  Layer 2 w0.102: v1(6.417,25.167) 6.083,24.833 6.083,13.812 7.036,12.86 7.036,10.208 7.671,9.573 7.671,9.122 9.246,7.547 9.246,4.727 10.185,3.788 10.185,3.211 12.33,1.067 12.776,1.067 ; 12.776,1.063 43.64,1.063 47.2,4.623 50.324,4.623 50.506,4.805 56.634,4.805 57.941,3.498 58.915,3.498 60.363,4.945 60.363,5.498 71.175,16.31 71.175,20.642 73.987,23.454 74.207,23.454 75.356,24.603 75.356,24.912 v1(75.398,24.955)